# Altium PCB XInC2 Dev - PCB.PcbDoc (part 1 of 2) (continued)
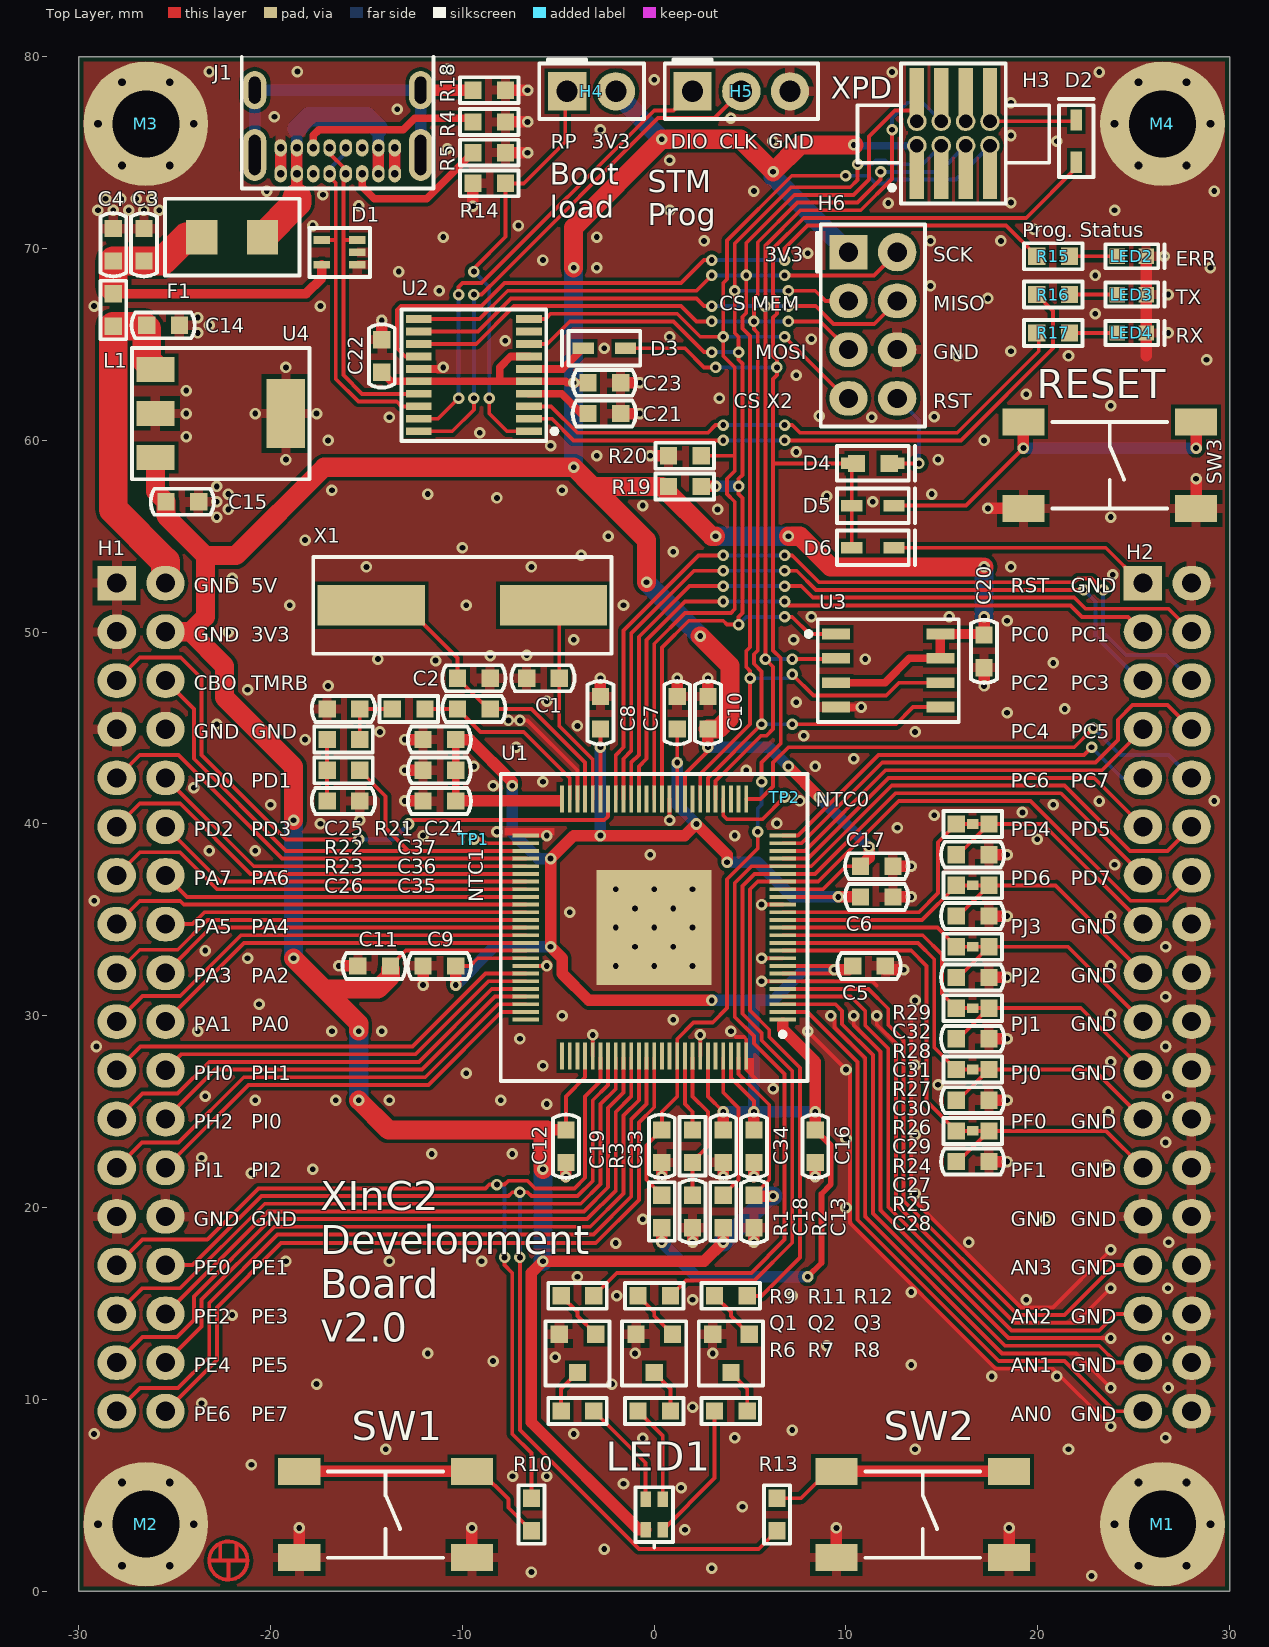
[diagram p0: Top Layer view]
## Footprints (in the part's own frame and the unit in brackets; to place one, negate y for a bottom-side part, rotate by r counter-clockwise, add the part's x,y. Pads: shape width x height; smd on the part's side, far side on the other; paste and mask are expansions set on the pad) (continued)
  silkscreen extent -8,-8 8,8, body extent -7,-7 7,7, height 1.2

## Part data
C1: library part "C - 0603 - 33pF - 16V_1", "CAP CER 33PF 50V C0G/NPO 0603", Op Temp="-55°C ~ 125°C", Package=0603, Temp Coeff=NP0, Tolerance=±5%, Voltage - Rated=50V, Composition=Ceramic, Digi-Key PN=311-1064-1-ND, Height="0.9 mm", MFG=Yageo, MFG PN=CC0603JRNPO9BN330, Mounting Type="Surface Mount, MLCC", Price/1 @10=$0.058, Series=CC
C2: library part "C - 0603 - 8.2pF - 50V", "CAP CER 8.2PF 50V NPO 0603", Op Temp="-55°C ~ 125°C", Package=0603, Temp Coeff=NP0, Tolerance=±0.25pF, Voltage - Rated=50V, Composition=Ceramic, Digi-Key PN=311-3865-1-ND, Height=0.90mm, MFG=Yageo, MFG PN=CC0603CRNPO9BN8R2, Mounting Type="Surface Mount, MLCC", Price/1 @10=$0.084, Series=CC
C3 C22: library part "C - 0603 - 10nF - 50V", "CAP CER 10000PF 50V X7R 0603", Op Temp="-55°C ~ 125°C", Package=0603, Temp Coeff=X7R, Tolerance=±5%, Voltage - Rated=50V, Composition=Ceramic, Digi-Key PN=311-1778-1-ND, Height=0.90mm, MFG=Yageo, MFG PN=CC0603JRX7R9BB103, Mounting Type="Surface Mount, MLCC", Price/1 @10=$0.072, Series=CC, Size="1.60mm x 0.80mm"
C4 C5 C6 C7 C8 C9 C10 C11 C12 C13 C16 C17 C19 C20 C21 C23 C33 C34 C36: library part "C - 0603 - 100nF - 16V", "CAP CER 0.1UF 16V X7R 0603", Op Temp="-55°C ~ 125°C", Package=0603, Temp Coeff=X7R, Tolerance=±10%, Voltage - Rated=16V, Composition=Ceramic, Digi-Key PN=311-1088-1-ND, Height="0.9 mm", MFG=Yageo, MFG PN=CC0603KRX7R7BB104, Mounting Type="Surface Mount, MLCC", Price/1 @10=$0.064, Series=CC
C14 C15: library part "C - 0603 - 4.7uF - 10V", "CAP CER 4.7UF 10V X5R 0603", Op Temp="-55°C ~ 85°C", Package=0603, Temp Coeff=X5R, Tolerance=±20%, Voltage - Rated=10V, Composition=Ceramic, Digi-Key PN=311-1820-1-ND, Height=0.90mm, MFG=Yageo, MFG PN=CC0603MRX5R6BB475, Mounting Type="Surface Mount, MLCC", Price/1 @10=$0.172, Series=CC
C18: library part "C - 0603 - 680pF - 50V", "CAP CER 680PF 50V X7R 0603", Op Temp="-55°C ~ 125°C", Package=0603, Temp Coeff=X7R, Tolerance=±10%, Voltage - Rated=50V, Composition=ceramic, Digi-Key PN=311-1188-1-ND, Height=0.90mm, MFG=Yageo, MFG PN=CC0603KRX7R9BB681, Mounting Type="Surface Mount, MLCC", Price/1 @10=$0.062, Series=CC
C24 C25 C26 C27 C28 C29 C30 C31 C32 C35 C37: library part "C - 0603 - DNP", "DNP C 0603", Package=0603, Digi-Key PN=-, MFG=-, MFG PN=-, Mounting Type=SMT
D1: library part "TVS - USB - RCLAMP0503F", "TVS DIODE 5V 25V SC70-5", Capacitance @ Frequency="3pF @ 1MHz", Current - Peak Pulse (10/1000µs)="6A (8/20µs)", Op Temp="-55°C ~ 125°C (TJ)", Package="5-TSSOP, SC-70-5, SOT-353", Power - Peak Pulse=150W, Power Line Protection=Yes, Voltage - Breakdown (Min)=6V, Voltage - Clamping (Max) @ Ipp=25V, Voltage - Reverse Standoff (Typ)="5V (Max)", Applications="USB OTG", ComponentLink1Description=Datasheet, ComponentLink1URL="E:\!Projects\50. XInC2 Dev 2\git\Datasheets\Semtech - RClamp0503F.pdf", ComponentLink2Description="Online Datasheet", ComponentLink2URL=https://semtech.my.salesforce.com/sfc/p/#E0000000JelG/a/44000000MCna/gSoiWcGuNPdCJXQ9MiJb.gsVfITyRqZHeVmym5XjXO8, Digi-Key PN=RCLAMP0503F.TCTCT-ND, MFG="Semtech Corp", MFG PN=RCLAMP0503F.TCT, Mounting Type="Surface Mount", Series=RailClamp, Type="Steering (Rail to Rail)", Unidirectional Channels=3
D2 D3 D4 D5 D6: library part "D - BAT46JFILM", "DIODE SCHOTTKY 100V 150MA SOD323", Capacitance @ Vr, F="10pF @ 0V, 1MHz", Current - Average Rectified (Io)="150mA (DC)", Current - Reverse Leakage @ Vr="5µA @ 75V", Op Temp="150°C (Max)", Package=SOD-323, Voltage - DC Reverse (Vr) (Max)=100V, Voltage - Forward (Vf) (Max) @ If="450mV @ 10mA", ComponentLink1Description=Datasheet, ComponentLink1URL="E:\!Projects\50. XInC2 Dev 2\git\Datasheets\ST - BAT46.pdf", ComponentLink2Description="Online Datasheet", ComponentLink2URL=https://www.st.com/content/ccc/resource/technical/document/datasheet/c6/32/d4/4a/28/d3/4b/11/CD00004930.pdf/files/CD00004930.pdf/jcr:content/translations/en.CD00004930.pdf, Digi-Key PN=497-6653-1-ND, Diode Type=Schottky, MFG=ST, MFG PN=BAT46JFILM, Mounting Type="Surface Mount", Price/1 @10=$0.231, Series=-, Speed="Small Signal =< 200mA (Io), Any Speed"
F1: library part "Fuse - 1.5A slow", "FUSE 1.5A 63VAC/DC SLOW 1206", Breaking Capacity @ Rated Voltage=50A, Current Rating (Amps)=1.5A, DC Cold Resistance="0.205 Ohms", Op Temp="-55°C ~ 125°C", Package=1206, Voltage Rating - AC=63V, Approval Agency="AEC-Q200, CE, cURus", ComponentLink1Description=Datasheet, ComponentLink1URL="E:\!Projects\50. XInC2 Dev 2\git\Datasheets\Bel Fuse - Type C1T.pdf", ComponentLink2Description="Online Datasheet", ComponentLink2URL=https://belfuse.com/resources/datasheets/circuitprotection/ds-cp-c1t-series.pdf, Digi-Key PN=507-1893-1-ND, Fuse Type="Board Mount (Cartridge Style Excluded)", Melting I²t=0.23, MFG="Bel Fuse Inc.", MFG PN=0685T1500-01, Mounting Type="Surface Mount", Price/1 @10=$0.342, Response Time="Slow Blow", Series=C1T, Voltage Rating - DC=63V
H1 H2: library part "H - 100mil - Stack - 2x18", "CONN RCPT 36POS 0.1 TIN PCB", Current Rating (Amps)="6.3A per Contact", Insulation Color=Black, Material Flammability Rating="UL94 V-0", Op Temp="-55°C ~ 105°C", Voltage Rating=550VAC, ComponentLink1Description=Datasheet, ComponentLink1URL="E:\!Projects\50. XInC2 Dev 2\git\Datasheets\Samtec - SSQ Series Headers.pdf", ComponentLink2Description="Online Datasheet", ComponentLink2URL=http://suddendocs.samtec.com/catalog_english/ssq_th.pdf, Connector Type=Receptacle, Contact Finish - Mating=Tin, Contact Finish - Post=Tin, Contact Length - Post=10.00mm, Contact Shape=Square, Contact Type=Forked, Digi-Key PN=SAM1204-18-ND, Fastening Type=Push-Pull, Insulation Height=8.51mm, Insulation Material="Liquid Crystal Polymer (LCP)", MFG=Samtec, MFG PN=SSQ-118-03-T-D, Mounting Type="Thorugh Hole", Number of Positions=36, Number of Positions Loaded=All, Number of Rows=2, Pitch - Mating="0.100\"", Price/1 @10=$4.718, Row Spacing - Mating="0.100\"", Series=SSQ, Style="Board to Board or Cable", Termination=Solder
H3: library part "H - XPD - SMT", "CONN HEADER SMD 8POS 1.27MM", Current Rating (Amps)="3.4A per Contact", Insulation Color=Black, Material Flammability Rating="UL94 V-0", Op Temp="-55°C ~ 125°C", ComponentLink1Description=Datasheet, ComponentLink1URL="E:\!Projects\50. XInC2 Dev 2\git\Datasheets\Samtec - FTS series.pdf", ComponentLink2Description="Online Datasheet", ComponentLink2URL=http://suddendocs.samtec.com/catalog_english/fts.pdf, Connector Type="Header, Cuttable", Contact Finish - Mating=Gold, Contact Length - Mating="0.120\"\" (3.05mm)", Contact Shape=Square, Contact Type="Male Pin", Digi-Key PN=SAM1157-04-ND, Fastening Type=Push-Pull, Height=4.32mm, Insulation Height="0.034\"\" (0.86mm)", Insulation Material="Liquid Crystal Polymer (LCP)", MFG="Samtec Inc.", MFG PN=FTS-104-01-L-DV, Mounting Type="Surface Mount", Number of Positions=8, Number of Rows=2, Pitch - Mating="0.050\"\" (1.27mm)", Price/1 @10=$1.616, Row Spacing - Mating="0.050\"\" (1.27mm)", Series=FTS, Shrouding=Unshrouded, Termination=Solder
H4: "CONN HEADER VERT 2POS 2.54MM", Purpose="Bootloader Select"
H5: "CONN HEADER VERT 3POS 2.54MM", Purpose=SWD
J1: library part "Jack - USB C - USB4085", "CONN RCPT USB2.0 TYPEC 16POS", Current Rating (Amps)="0.25A, 1.25A, 3A, 4.25A", Insulation Color=Black, Material Flammability Rating="UL94 V-0", Op Temp="-40°C ~ 85°C", Voltage - Rated=20VDC, ComponentLink1Description=Datasheet, ComponentLink1URL="E:\!Projects\50. XInC2 Dev 2\git\Datasheets\GCT - USB4085.pdf", ComponentLink2Description="Online Datasheet", ComponentLink2URL=https://gct.co/files/drawings/usb4085.pdf, Connector Type="USB-C (USB TYPE-C)", Contact Finish=Gold, Digi-Key PN=2073-USB4085-GF-ACT-ND, Gender=Receptacle, Height=3.46mm, Mating Cycles=10000, MFG=GCT, MFG PN=USB4085-GF-A, Mounting Feature=Horizontal, Mounting Type="Through Hole, Right Angle", Number of Contacts="24 (16+8 Dummy)", Number of Ports=1, Price/1 @10=$1.629, Series=USB4085, Shell/Shielding Material="Steel, Stainless", Shielding=Shielded, Specifications="USB 2.0"
L1: library part "Ferrite - 0603 - 33 ohm", "FERRITE BEAD 33 OHM 0603 1LN", Current Rating (Max)=3A, DC Resistance (DCR) (Max)=25mOhm, Impedance @ Frequency="33 Ohms @ 100MHz", Op Temp="-55°C ~ 85°C", Package=0603, Digi-Key PN=587-1926-1-ND, Filter Type="Power Line", Height=0.95mm, MFG="Taiyo Yuden", MFG PN=BKP1608HS330-T, Mounting Type="Surface Mount", Number of Lines=1, Price/1 @10=$0.10, Series=BK, Size="1.60mm x 0.80mm"
LED1: library part "LED - RGB", "LED RGB CLEAR 4SMD", Current - Test="5mA Red, 5mA Green, 5mA Blue", Lens Color=Colorless, Millicandela Rating=-, Package=0606, Voltage - Forward (Vf) (Typ)="1.8V Red, 2.8V Green, 2.8V Blue", Color=RGB, ComponentLink1Description=Datasheet, ComponentLink1URL="E:\!Projects\50. XInC2 Dev 2\git\Datasheets\Everlight - EAST1616RGBB4.PDF", ComponentLink2Description="Online Datasheet", ComponentLink2URL=https://everlightamericas.com/index.php?controller=attachment&id_attachment=2827, Digi-Key PN=1080-1552-1-ND, Height=0.45mm, Lens Size="1.60mm x 1.10mm", Lens Style="Rectangle with Flat Top", Lens Transparency=Clear, MFG="Everlight Electronics", MFG PN=EAST1616RGBB4, Mounting Type="Surface Mount", Price/1 @10=$0.415, Size="1.60mm L x 1.60mm W", Viewing Angle=120°, Wavelength - Dominant=-, Wavelength - Peak="632nm Red, 518nm Green, 468nm Blue"
LED2: library part "LED - Red", "LED RED CLEAR CHIP SMD", Current - Test=20mA, Lens Color=Colorless, Millicandela Rating=99mcd, Package=0603, Voltage - Forward (Vf) (Typ)=2V, Color=Red, ComponentLink1Description=Datasheet, ComponentLink1URL="E:\!Projects\50. XInC2 Dev 2\git\Datasheets\Lite-On - Red - LTST-C190KRKT.pdf", ComponentLink2Description="Online Datasheet", ComponentLink2URL=https://optoelectronics.liteon.com/upload/download/DS-22-99-0151/LTST-C190KRKT.pdf, Digi-Key PN=160-1436-1-ND, Height=0.90mm, Lens Size="1.10mm x 0.80mm", Lens Style="Rectangle with Flat Top", Lens Transparency=Clear, MFG="Lite-On Inc.", MFG PN=LTST-C190KRKT, Mounting Type="Surface Mount", Price/1 @10=$0.183, Purpose=Error, Size="1.60mm L x 0.80mm W", Viewing Angle=130°, Wavelength - Dominant=631nm, Wavelength - Peak=639nm
LED3: library part "LED - Green", "LED GREEN CLEAR CHIP SMD", Current - Test=20mA, Lens Color=Colorless, Millicandela Rating=35mcd, Package=0603, Voltage - Forward (Vf) (Typ)=2V, Color=Green, ComponentLink1Description=Datasheet, ComponentLink1URL="E:\!Projects\50. XInC2 Dev 2\git\Datasheets\Lite-On - Green - LTST-C190KGKT.pdf", ComponentLink2Description="Online Datasheet", ComponentLink2URL=https://optoelectronics.liteon.com/upload/download/DS22-2000-074/LTST-C190KGKT.PDF, Digi-Key PN=160-1435-1-ND, Height=0.90mm, Lens Size="1.10mm x 0.80mm", Lens Style="Rectangle with Flat Top", Lens Transparency=Clear, MFG="Lite-On Inc.", MFG PN=LTST-C190KGKT, Mounting Type="Surface Mount", Price/1 @10=$0.183, Purpose=TX, Size="1.60mm L x 0.80mm W", Viewing Angle=130°, Wavelength - Dominant=571nm, Wavelength - Peak=574nm
LED4: library part "LED - Blue", "LED BLUE CLEAR CHIP SMD", Current - Test=20mA, Lens Color=Colorless, Millicandela Rating=104mcd, Package=0603, Voltage - Forward (Vf) (Typ)=3.3V, Color=Blue, ComponentLink1Description=Online, ComponentLink1URL="E:\!Projects\50. XInC2 Dev 2\git\Datasheets\Lite-On - Blue - LTST-C190TBKT.PDF", ComponentLink2Description="Online Datasheet", ComponentLink2URL=https://optoelectronics.liteon.com/upload/download/DS-22-99-0224/LTST-C190TBKT.PDF, Digi-Key PN=160-1646-1-ND, Height=0.90mm, Lens Size="1.10mm x 0.80mm", Lens Style="Rectangle with Flat Top", Lens Transparency=Clear, MFG="Lite-On Inc.", MFG PN=LTST-C190TBKT, Mounting Type="Surface Mount", Price/1 @10=$0.378, Purpose=RX, Size="1.60mm L x 0.80mm W", Viewing Angle=130°, Wavelength - Dominant=470nm, Wavelength - Peak=468nm
Q1 Q2 Q3: library part "Q - NPN - MMBT3904", "TRANS NPN 40V 0.2A SOT23", Current - Collector (Ic) (Max)=200mA, Current - Collector Cutoff (Max)="50nA (ICBO)", DC Current Gain (hFE) (Min) @ Ic, Vce="100 @ 10mA, 1V", Frequency - Transition=300MHz, Op Temp="-55°C ~ 150°C (TJ)", Package="SOT-23, TO-236-3, SC-59, SOT-23-3", Power - Max=350mW, Voltage - Collector Emitter Breakdown (Max)=40V, ComponentLink1Description=Datasheet, ComponentLink1URL="E:\!Projects\50. XInC2 Dev 2\git\Datasheets\MCC - MMBT3904.pdf", ComponentLink2Description="Online Datasheet", ComponentLink2URL=https://www.mccsemi.com/pdf/Products/MMBT3904(SOT-23).pdf, Digi-Key PN=MMBT3904TPMSCT-ND, MFG="Micro Commercial", MFG PN=MMBT3904-TP, Mounting Type="Surface Mount", Price/1 @10=$0.087, Transistor Type=NPN, Vce Saturation (Max) @ Ib, Ic="300mV @ 5mA, 50mA"
R1 R19: library part "R - 0603 - 10k", "RES SMD 10K OHM 5% 1/10W 0603", Op Temp="-55°C ~ 155°C", Package=0603, Power=0.1W, Temp Coeff=±100ppm/°C, Tolerance=5%, ComponentLink1Description=Datasheet, ComponentLink1URL="E:\!Projects\50. XInC2 Dev 2\git\Datasheets\Yageo - RC series.pdf", ComponentLink2Description="Online Datasheet", ComponentLink2URL=https://www.yageo.com/upload/media/product/productsearch/datasheet/rchip/PYu-RC_Group_51_RoHS_L_11.pdf, Composition="Thick Film", Digi-Key PN=311-10KGRCT-ND, Height=0.55mm, MFG=Yageo, MFG PN=RC0603JR-0710KL, Mounting Type="Surface Mount", Price/1 @10=$0.017, Series=RC
R2 R3: library part "R - 0603 - 51k", "RES SMD 51K OHM 5% 1/10W 0603", Op Temp="-55°C ~ 155°C", Package=0603, Power=0.1W, Temp Coeff=±100ppm/°C, Tolerance=5%, ComponentLink1Description=Datasheet, ComponentLink1URL="E:\!Projects\50. XInC2 Dev 2\git\Datasheets\Yageo - RC series.pdf", ComponentLink2Description="Online Datasheet", ComponentLink2URL=https://www.yageo.com/upload/media/product/productsearch/datasheet/rchip/PYu-RC_Group_51_RoHS_L_11.pdf, Composition="Thick Film", Digi-Key PN=311-51KGRCT-ND, Height=0.55mm, MFG=Yageo, MFG PN=RC0603JR-0751KL, Mounting Type="Surface Mount", Price/1 @10=$0.025, Series=RC
R4 R5: library part "R - 0603 - 5.1k", "RES SMD 5.1K OHM 5% 1/10W 0603", Op Temp="-55°C ~ 155°C", Package=0603, Power=0.1W, Temp Coeff=±100ppm/°C, Tolerance=5%, ComponentLink1Description=Datasheet, ComponentLink1URL="E:\!Projects\50. XInC2 Dev 2\git\Datasheets\Yageo - RC series.pdf", ComponentLink2Description="Online Datasheet", ComponentLink2URL=https://www.yageo.com/upload/media/product/productsearch/datasheet/rchip/PYu-RC_Group_51_RoHS_L_11.pdf, Composition="Thick Film", Digi-Key PN=311-5.1KGRCT-ND, Height=0.55mm, MFG=Yageo, MFG PN=RC0603JR-075K1L, Mounting Type="Surface Mount", Price/1 @10=$0.02500, Series=RC
R6 R7 R8 R15 R16 R17: library part "R - 0603 - 100R", "RES SMD 100 OHM 5% 1/10W 0603", Op Temp="-55°C ~ 155°C", Package=0603, Power=0.1W, Temp Coeff=±100ppm/°C, Tolerance=5%, ComponentLink1Description=Datasheet, ComponentLink1URL="E:\!Projects\50. XInC2 Dev 2\git\Datasheets\Yageo - RC series.pdf", ComponentLink2Description="Online Datasheet", ComponentLink2URL=https://www.yageo.com/upload/media/product/productsearch/datasheet/rchip/PYu-RC_Group_51_RoHS_L_11.pdf, Composition="Thick Film", Digi-Key PN=311-100GRCT-ND, Height=0.55mm, MFG=Yageo, MFG PN=RC0603JR-07100RL, Mounting Type="Surface Mount", Price/1 @10=$0.02500, Series=RC
R9 R10 R11 R12 R13 R14: library part "R - 0603 - 1k", "RES SMD 1K OHM 5% 1/10W 0603", Op Temp="-55°C ~ 155°C", Package=0603, Power=0.1W, Temp Coeff=±100ppm/°C, Tolerance=5%, ComponentLink1Description=Datasheet, ComponentLink1URL="E:\!Projects\50. XInC2 Dev 2\git\Datasheets\Yageo - RC series.pdf", ComponentLink2Description="Online Datasheet", ComponentLink2URL=https://www.yageo.com/upload/media/product/productsearch/datasheet/rchip/PYu-RC_Group_51_RoHS_L_11.pdf, Composition="Thick Film", Digi-Key PN=311-1.0KGRCT-ND, Height=0.55mm, MFG=Yageo, MFG PN=RC0603JR-071KL, Mounting Type="Surface Mount", Price/1 @10=$0.02500, Series=RC
R18: library part "Jumper - 0603", "RES SMD 0 OHM JUMPER 1/10W 0603", Op Temp="-55°C ~ 155°C", Package=0603, Power=0.1W, Temp Coeff=-, Tolerance=Jumper, Composition="Thick Film", Digi-Key PN=311-0.0GRCT-ND, Height=0.55mm, MFG=Yageo, MFG PN=RC0603JR-070RL, Mounting Type="Surface Mount", Price/1 @10=$0.025, Series=RC
R20: library part "R - 0603 - 100k", "RES SMD 100K OHM 5% 1/10W 0603", Op Temp="-55°C ~ 155°C", Package=0603, Power=0.1W, Temp Coeff=±100ppm/°C, Tolerance=5%, ComponentLink1Description=Datasheet, ComponentLink1URL="E:\!Projects\50. XInC2 Dev 2\git\Datasheets\Yageo - RC series.pdf", ComponentLink2Description="Online Datasheet", ComponentLink2URL=https://www.yageo.com/upload/media/product/productsearch/datasheet/rchip/PYu-RC_Group_51_RoHS_L_11.pdf, Composition="Thick Film", Digi-Key PN=311-100KGRCT-ND, Height=0.55mm, MFG=Yageo, MFG PN=RC0603JR-07100KL, Mounting Type="Surface Mount", Price/1 @10=$0.025, Series=RC
R21 R22 R23: library part "R - 0603 - DNP", "DNP R 0603", Package=0603, Digi-Key PN=-, MFG=-, MFG PN=-, Mounting Type=SMT
R24 R25 R26 R27 R28 R29: library part "Jumper - 0603 - Shorted", "DNP: 0603 Resistor with the pads shorted", Op Temp="-55°C ~ 155°C", Package=0603, Power=0.1W, Temp Coeff=-, Tolerance=Jumper, Composition="Thick Film", Digi-Key PN=311-0.0GRCT-ND, Height=0.55mm, MFG=Yageo, MFG PN=RC0603JR-070RL, Mounting Type="Surface Mount", Price/1 @10=$0.025, Series=RC
SW1 SW2 SW3: library part "SW - Tactile - HP0315AFKP2-R", "SWITCH TACTILE SPST-NO 3VA 28V", Contact Rating @ Voltage="3VA @ 28VDC", Operating Force=160gf, Op Temp="-20°C ~ 70°C", Actuator Height off PCB, Vertical=4.40mm, Actuator Material="Polyamide (PA), Nylon, Glass Filled", Actuator Orientation="Top Actuated", Actuator Type=Standard, Circuit=SPST-NO, ComponentLink1Description=Datasheet, ComponentLink1URL="E:\!Projects\50. XInC2 Dev 2\git\Datasheets\NKK Switches - HP03 Switches.pdf", ComponentLink2Description="Online Datasheet", ComponentLink2URL=https://www.nkkswitches.com/pdf/HP03-2.pdf, Digi-Key PN=360-2595-1-ND, Features="Sealed - Flux Protection", Illumination=Non-Illuminated, Mechanical Life="500,000 Cycles", MFG="NKK Switches", MFG PN=HP0315AFKP2-R, Mounting Type="Surface Mount", Outline="6.20mm x 6.20mm", Price/1 @10=$0.78, Series=HP03, Switch Function=Off-Mom, Switch Travel=0.20mm, Termination Style="Gull Wing"
  SW1: Purpose="User SW 1"
  SW2: Purpose="User SW 2"
  SW3: Purpose=Reset
TP1 TP2: library part "TP - TH - 0.6 mm"
U1: library part "uC - XInC2 - LQFP", "XInC2 Multi-Threaded µC LQFP", Digi-Key PN=N/A, MFG="Eleven Engineering", MFG PN=XC1201-R3003
U2: library part "uC - STM32F042F4P6", "IC MCU 32BIT 16KB FLASH 20TSSOP", Op Temp="-40°C ~ 85°C (TA)", Package="20-TSSOP (0.173\"\", 4.40mm Width)", Voltage - Supply (Vcc/Vdd)="1.65V ~ 3.6V", ComponentLink1Description=Datasheet, ComponentLink1URL="E:\!Projects\50. XInC2 Dev 2\git\Datasheets\ST - STM32F042F4P6.pdf", ComponentLink2Description="Online Datasheet", ComponentLink2URL=https://www.st.com/content/ccc/resource/technical/document/datasheet/52/ad/d0/80/e6/be/40/ad/DM00105814.pdf/files/DM00105814.pdf/jcr:content/translations/en.DM00105814.pdf, Connectivity="CANbus, HDMI-CEC, I²C, IrDA, LINbus, SPI, UART/USART, USB", Core Processor="ARM® Cortex®-M0", Core Size=32-Bit, Data Converters="A/D 12x12b", Digi-Key PN=497-17343-ND, Height="1.2 mm", MFG=ST, MFG PN=STM32F042F4P6, Mounting Type="Surface Mount", Number of I/O=16, Peripherals="DMA, I²S, POR, PWM, WDT", Price/1 @10=$3.667, Program Memory Size="16KB (16K x 8)", Program Memory Type=FLASH, RAM Size="6K x 8", Series=STM32F0, Speed=48MHz
U3: library part "Mem - Flash - 2 MBit - W25Q20CL", "IC FLASH 2MBIT SPI 104MHZ 8SOIC", Clock Frequency=104MHz, Op Temp="-40°C ~ 85°C (TA)", Package="8-SOIC (0.154\"\", 3.90mm Width)", Voltage - Supply="2.3V ~ 3.6V", ComponentLink1Description=Datasheet, ComponentLink1URL="E:\!Projects\50. XInC2 Dev 2\git\Datasheets\Winbond - W25Q20CLA.pdf", ComponentLink2Description="Online Datasheet", ComponentLink2URL=https://www.winbond.com/resource-files/da00-w25q20cla1.pdf, Digi-Key PN=W25Q20CLSNIG-ND, Memory Interface=SPI, Memory Size="2Mb (256K x 8)", Memory Type=Non-Volatile, MFG="Winbond Electronics", MFG PN=W25Q20CLSNIG, Mounting Type="Surface Mount", Price/1 @10=$0.497, Series=SpiFlash, Technology="FLASH - NOR", Write Cycle Time - Word, Page=800µs
U4: library part "Reg - Lin - 3.3V - AP2114", "IC REG LINEAR 3.3V 1A SOT223", Current - Output=1A, Current - Quiescent (Iq)=90µA, Op Temp="-40°C ~ 85°C", Package="TO-261-4, TO-261AA, SOT-223", Voltage - Input (Max)=6V, Voltage - Output (Max)=-, Voltage - Output (Min/Fixed)=3.3V, Voltage Dropout (Max)="0.75V @ 1A", ComponentLink1Description=Datasheet, ComponentLink1URL="E:\!Projects\50. XInC2 Dev 2\git\Datasheets\BCD - AP2114.pdf", ComponentLink2Description="Online Datasheet", ComponentLink2URL=https://www.diodes.com/assets/Datasheets/AP2114.pdf, Digi-Key PN=AP2114HA-3.3TRG1DICT-ND, Height="1.8 mm", MFG="Diodes Inc", MFG PN=AP2114HA-3.3TRG1, Mounting Type="Surface Mount", Number of Regulators=1, Output Configuration=Positive, Output Type=Fixed, Price/1 @10=$0.444, Protection Features="Over Current, Over Temperature", PSRR="65dB (100Hz ~ 1kHz)"
X1: library part "X - 20 MHz - HJ24.576", "CRYSTAL 24.576MHZ SMD", Frequency Stability="±10PPM Max. / -20°C~+70°C", Frequency Tolerance=±10PPM, Load Capacitance=20pF, Operating Mode="Fund (AT Cut)", Op Temp="-20°C - +70°C", Package=HC-49, ComponentLink1Description=Datasheet, ComponentLink1URL="E:\!Projects\50. XInC2 Dev 2\git\Datasheets\Huijing - 49SMD 24.576MHz.pdf", Digi-Key PN=N/A, ESR="50O Max./Series", Frequency=24.576MHz, Height=4mm, MFG=Huijing, MFG PN=N/A, Mounting Type="Surface Mount", Price/1 @10=-, Series=-, Type="MHz Crystal"
H6: Purpose="XPD Monitor"

## Via types
v1: diameter 0.6, hole 0.3, Top Layer to Bottom Layer, tented both sides, 446 vias

## Nets (pads, with @x,y where several pads share a name; then routed paths per layer and width w, separated by ;. In a path a pad name is that pad's centre, name@x,y a point inside that pad or via, vN(x,y) a via of type N, cw(c..) or ccw(c..) an arc to the next point about the centre after c; other vN are vias at no path point)
1V8: C5.1 C6.1 C7.1 C8.1 C9.1 C16.1 C33.1 C34.1 C35.1 C36.1 C37.1 R1.2 U1.1 U1.7 U1.8 U1.17 U1.35 U1.45 U1.50 U1.67 U1.95 U1.98 | length 136.2
  Top Layer w0.2: C9.1@-10.35,32.6 -9.6,32.6 -9.2,33 U1.67@-6.7,33 ; U1.45@-2.8,41.3 v1(-2.8,44) C8.1@-2.8,44.95 ; U1.35@1.2,41.3 v1(1.2,43.2) C7.1@1.2,44.95 ; U1.95@2.8,27.8 2.8,25.8 v1(3.6,25) ; C33.1@3.6,24.25 C33.1@3.75,24.1 ; U1.98@4,27.8 4,26.75 5.2,25.55 v1(5.2,25) ; C34.1@5.2,24.4 C34.1@5.5,24.1 ; U1.7@6.7,32.2 v1@9.4,32.2 ; U1.8@6.7,32.6 v1@9.4,32.6 ; U1.17@6.7,36.2 v1(9.6,36.2)
  Top Layer w0.3: v1(8,16.4) 8.717,17.117 8.717,20.717 9.2,21.2 9.2,23.25 C16.1@8.4,24.05
  Top Layer w0.4: C35.1@-10.35,41.2 C36.1@-10.35,42.8 C37.1@-10.35,44.4
  Top Layer w0.6: v1(-10.35,31.6) C9.1@-10.35,32.6 ; C35.1@-10.35,41.2 -5,41.2 ; C37.1@-10.35,44.4 -9.6,44.4 -7.4,42.2 v1(-7.4,42) ; v1(0.4,18.2) R1.2@0.4,18.95 ; v1(3,30.8) -3.4,30.8 -4.8,32.2 -4.8,33 v1(-5.4,33.6) v1(-5.4,38.2) -4.2,39.4 v1(-2.8,39.4) 1.6,39.4 v1(2.2,40) 3.8,38.4 v1(3.8,38) ; C33.1@3.6,24.25 v1(3.6,25) ; C34.1@5.2,24.4 v1(5.2,25) ; 6.7,29.6 6.7,29.3 8.4,27.6 v1(8.4,25) C16.1@8.4,24.05 ; v1(9.4,32.4) 10.15,32.4 C5.1@10.25,32.5 ; v1(9.6,36.2) C6.1@10.75,36.2
  Bottom Layer w0.6: v1(-10.35,31.6) -8.35,33.6 v1(-5.4,33.6) ; v1(-7.4,42) -7.4,39.55 -6.05,38.2 v1(-5.4,38.2) ; v1(-2.8,39.4) v1(-2.8,44) ; v1(0.4,18.2) 2.2,16.4 v1(8,16.4) ; v1(1.2,43.2) 1.2,41 v1(2.2,40) ; v1(3,30.8) 5.2,30.8 ; v1(3.6,25) v1(5.2,25) ; v1(3.8,38) 5.4,38 7.2,36.2 v1(9.6,36.2) ; v1(8.4,25) v1(5.2,25) ; v1(9.4,32.4) 7.8,32.4 6.2,30.8 5.2,30.8 ; v1(5.2,25) 5.2,30.8
3V3: C10.1 C11.1 C12.1 C13.1 C15.1 C17.1 C20.1 C22.1 C23.1 H1.4 H3.1 H4.2 H6.1 LED1.4 R2.2 R19.2 U1.18 U1.34 U1.66 U1.79 U1.99 U2.5 U2.7 U2.16 U3.3 U3.7 U3.8 U4.3 | length 265.1
  Top Layer w0.2: C11.1@-13.75,32.6 -12.95,33.4 U1.66@-6.7,33.4 ; C12.1@-4.6,24.05 -4.6,25.8 -3.6,26.8 U1.79@-3.6,27.8 ; U1.34@1.6,41.3 1.6,42.6 2.8,43.8 v1(2.8,44) ; U1.99@4.4,27.8 4.4,26.966 6,25.366 6,21.45 C13.1@5.2,20.65 ; U1.18@6.7,36.6 8.8,36.6 9.999,37.799 C17.1@10.75,37.8 C17.1@10.75,37.8 ; C20.1@17.145,49.905 C20.1@17.2,49.85
  Top Layer w0.4: C22.1@-14.2,63.55 -13.725,63.075 U2.16@-12.275,63.075 -8.05,63.075 ; U2.7@-6.525,64.375 -7.475,64.375 -8.05,63.8 -8.05,63.075 ; C23.1@-3.45,63 -4.551,63 -4.626,63.075 U2.5@-6.525,63.075 -8.05,63.075 ; U3.3@9.476,47.365 12.035,47.365 13.305,48.635 U3.7@14.924,48.635
  Top Layer w0.5: U3.7@14.924,48.635 U3.8@14.924,49.905 C20.1@17.145,49.905
  Top Layer w0.6: -5.6,24.05 C12.1@-4.6,24.05 ; LED1.4@-0.45,3.2 -0.8,3.2 -6.4,8.8 -6.4,16.6 v1(-5.8,17.2) 2.6,17.2 v1(3.6,18.2) R2.2@3.6,18.95 ; v1(2.8,44) C10.1@2.8,44.95 ; C13.1@5.2,20.65 5.25,20.6 v1(6.2,20.6) ; v1(7,43) v1(8.6,41.4) ; C17.1@10.75,37.8 11.2,38.25 v1(11.2,38.8) ; C20.1@17.2,49.85 v1(17.2,50.8)
  Top Layer w1: U4.3@-26,59.1 -26,57.35 C15.1@-25.45,56.8 -25.45,56.05 -23.4,54 ; H1.4@-25.48,50.02 -24.18,50.02 ; v1(-18.8,33) -17.2,31.4 ; v1(-18.8,40.2) -18.8,43 -22.4,46.6 -22.4,48.24 -24.18,50.02 ; v1(-15.4,25.6) -13.85,24.05 -5.6,24.05 -5.8,23.85 v1(-5.8,22) ; v1(-15.4,29.2) -15.4,29.6 -17.2,31.4 ; C11.1@-13.75,32.4 -13.75,32.05 -14.4,31.4 -17.2,31.4 ; v1(-4.2,69) -4.2,71.1 v1(0.4,75.7) 4.5,75.7 v1(6.2,74) 7.6,75.4 v1(10.4,75.4) ; v1(-0.4,52.6) -0.4,54.8 -3.2,57.6 ; v1(2.4,49.8) 3.95,48.25 3.95,45.55 3.35,44.95 C10.1@2.8,44.95 ; v1(3.2,55) 3,55 0.4,57.6 -3.2,57.6 ; v1(7,55) 7.6,55 9.2,53.4 v1(17.2,53.4) ; -24.18,50.02 -23.4,50.8 -23.4,54 ; -23.4,54 -21.8,54 -17.2,58.6 v1(-4.2,58.6) -3.2,57.6
  Bottom Layer w0.4: v1(10.4,75.4) 10.435,75.365 H3.1@13.695,75.365
  Bottom Layer w0.6: v1(2.8,44) 6,44 v1(7,43) ; v1(8.6,41.4) v1(11.2,38.8)
  Bottom Layer w1: v1(-18.8,33) v1(-18.8,40.2) ; v1(-15.4,25.6) v1(-15.4,29.2) ; v1(-5.8,17.2) v1(-5.8,22) ; v1(-4.2,58.6) v1(-4.2,63) v1(-4.2,69) ; H4.2@-2.1,78.2 v1(0.4,75.7) ; v1(-0.4,52.6) v1(2.4,49.8) ; v1(3.2,55) v1(7,55) ; v1(3.6,18.2) 6,20.6 v1(6.2,20.6) ; v1(6.2,74) 6.2,73.74 H6.1@10.13,69.81 ; v1(17.2,50.8) v1(17.2,53.4)
5V: C14.1 H1.2 L1.2 U4.1 | length 18.4
  Top Layer w1.5: U4.1@-26.15,63.85 -26.45,64.15 -26.45,65.8 -26.6,65.95 L1.2@-28.2,65.95 -28.2,56.4 -25.48,53.68 H1.2@-25.48,52.56
AN0: H2.35 U1.2 | length 32.2
  Top Layer w0.2: U1.2@6.7,30.2 8,30.2 10.6,27.6 10.6,19.366 17.966,12 21.4,12 24.02,9.38 H2.35@25.48,9.38
AN1: H2.33 U1.3 | length 31.8
  Top Layer w0.2: U1.3@6.7,30.6 9.449,30.6 9.8,30.249 9.8,29.563 11.4,27.963 11.4,19.697 18.297,12.8 23.2,12.8 24.08,11.92 H2.33@25.48,11.92
AN2: H2.31 U1.4 | length 31.6
  Top Layer w0.2: U1.4@6.7,31 10.249,31 11,30.249 11,29.494 12.2,28.294 12.2,20.028 18.628,13.6 23.2,13.6 24.06,14.46 H2.31@25.48,14.46
AN3: H2.29 U1.5 | length 32.3
  Top Layer w0.2: U1.5@6.7,31.4 11.166,31.4 12.2,30.366 12.2,29.517 13,28.717 13,20.36 18.96,14.4 21.4,14.4 24,17 H2.29@25.48,17
CBO: H1.5 U1.44 | length 33.8
  Top Layer w0.2: H1.5@-28.02,47.48 -26.82,48.68 -24.68,48.68 -23.6,47.6 -23.6,43.6 -19.2,39.2 v1(-15.4,39.2) ; v1(-12.8,40) -12.6,40.2 -2.6,40.2 -2.4,40.4 U1.44@-2.4,41.3
  Bottom Layer w0.2: v1(-15.4,39.2) -13.6,39.2 v1(-12.8,40)